# Altium PCB PCB_3U_BNC.PCBDOC (part 1 of 2)
Units mil, origin at the board's own origin, x right, y up, seen from the top; angles counter-clockwise.
Board outline 2496.06 x 3937 mil, 4 copper layers (TopLayer, Internal Plane 2, Internal Plane 1, BottomLayer), stack 35.634 mil thick; 146 components, 103 nets, 600 pads, 388 vias.
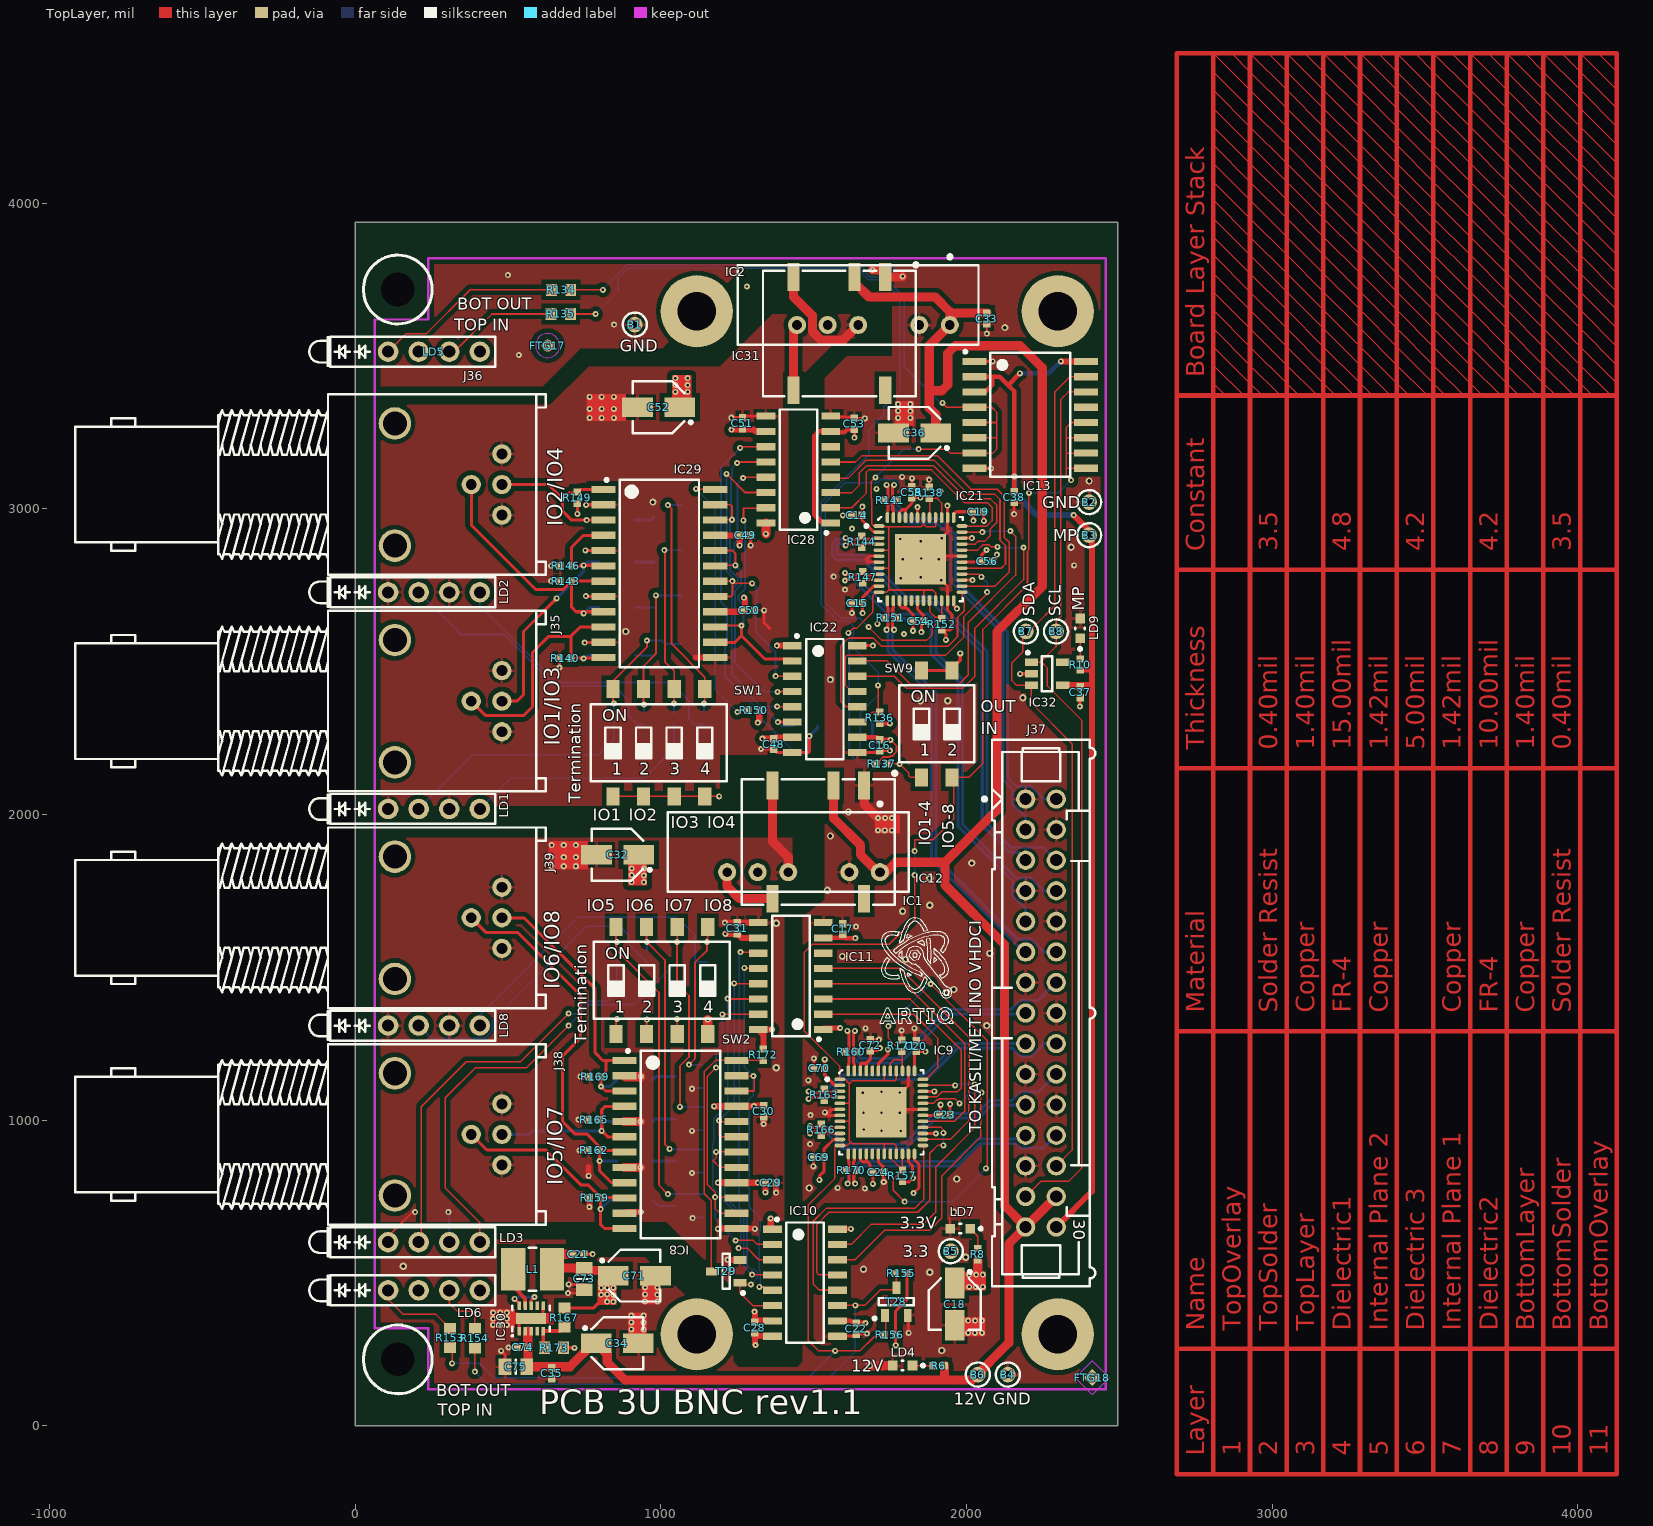
[diagram p0: TopLayer view]
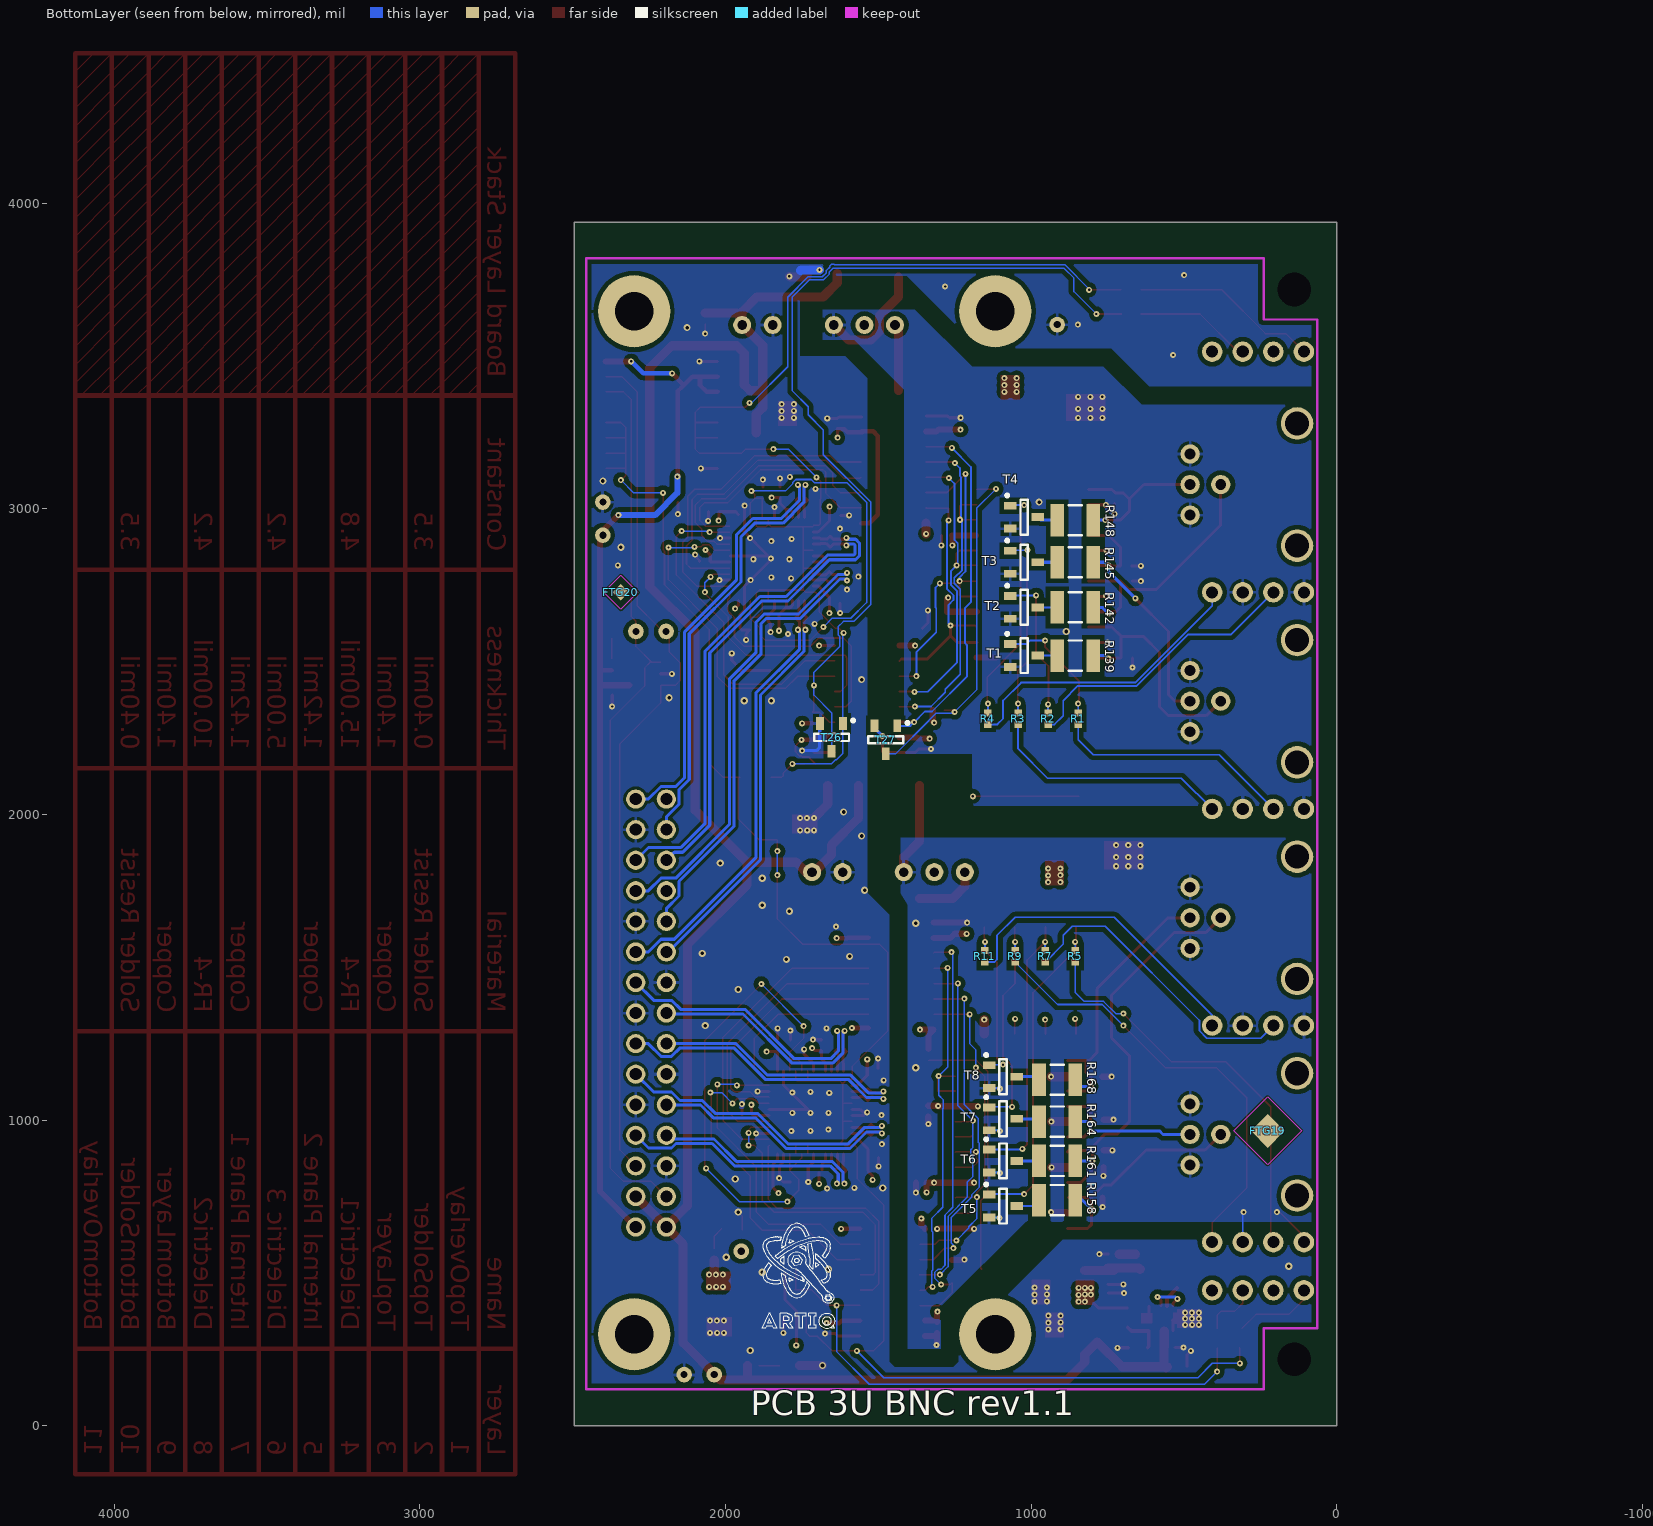
[diagram p1: BottomLayer view, seen from below]
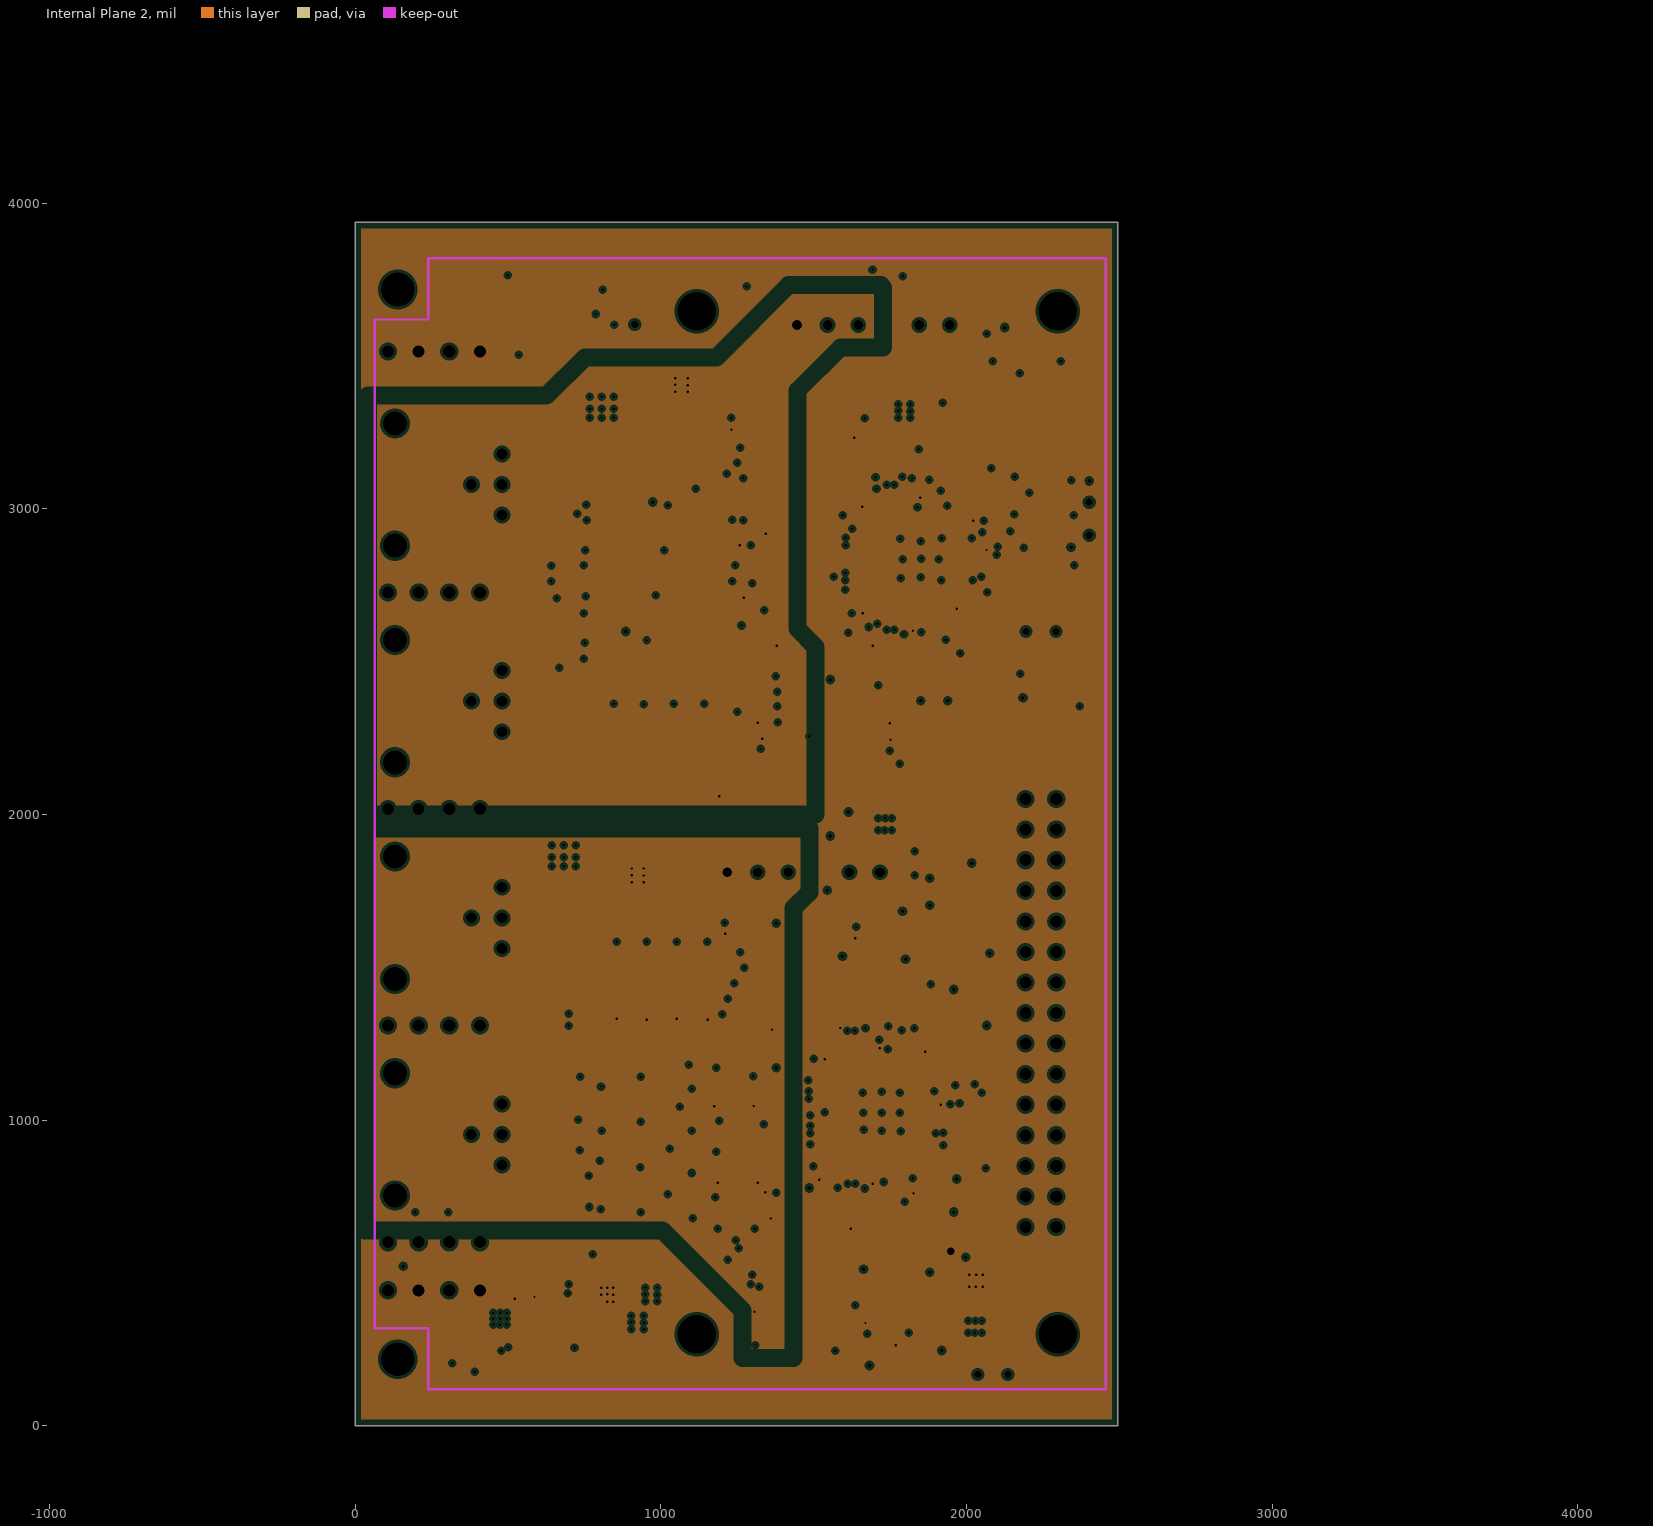
[diagram p2: Internal Plane 2, clearances drawn from the general rule]
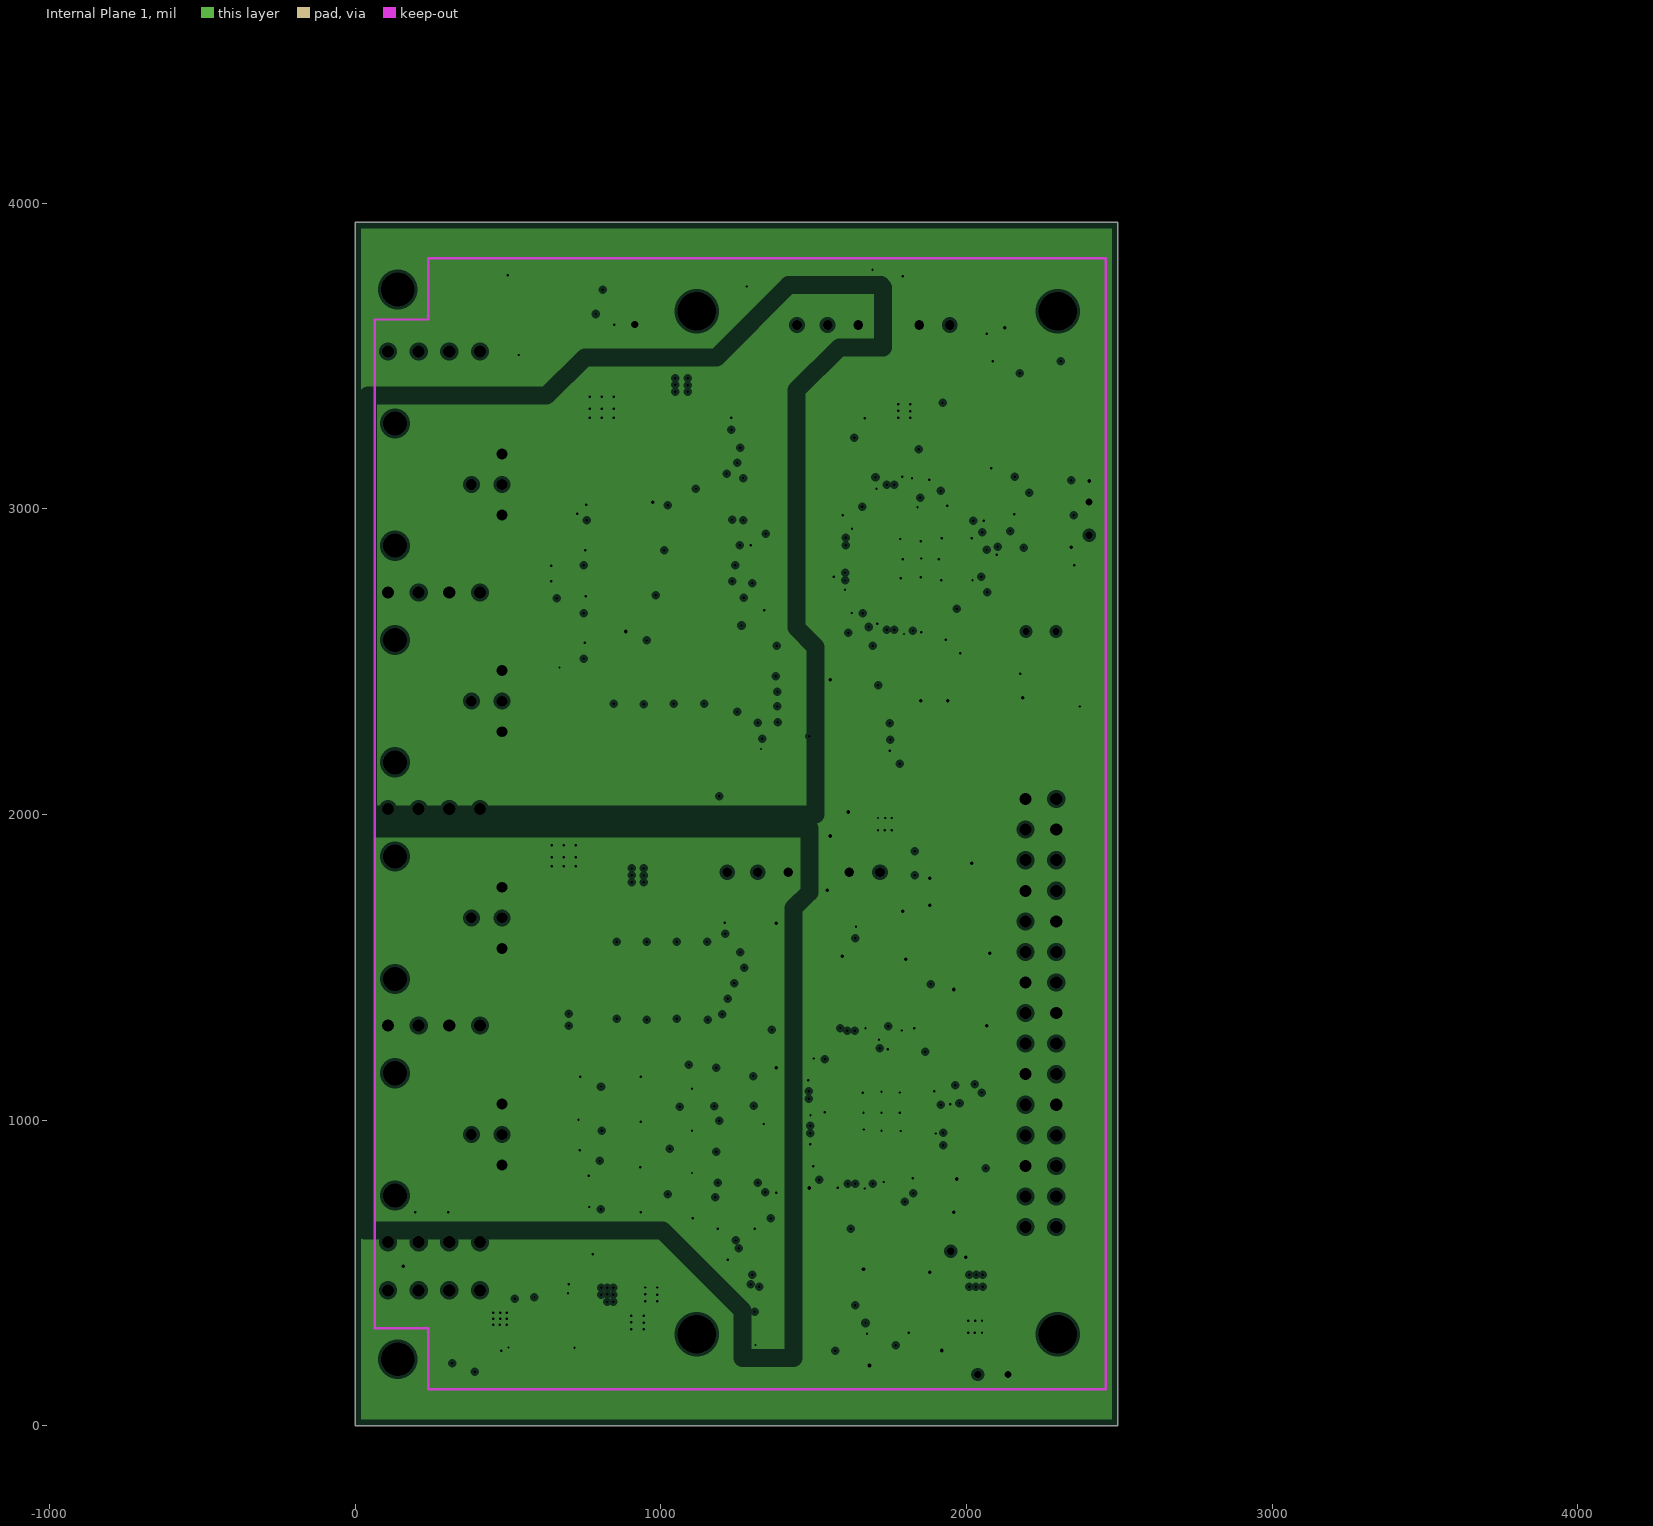
[diagram p3: Internal Plane 1, clearances drawn from the general rule]
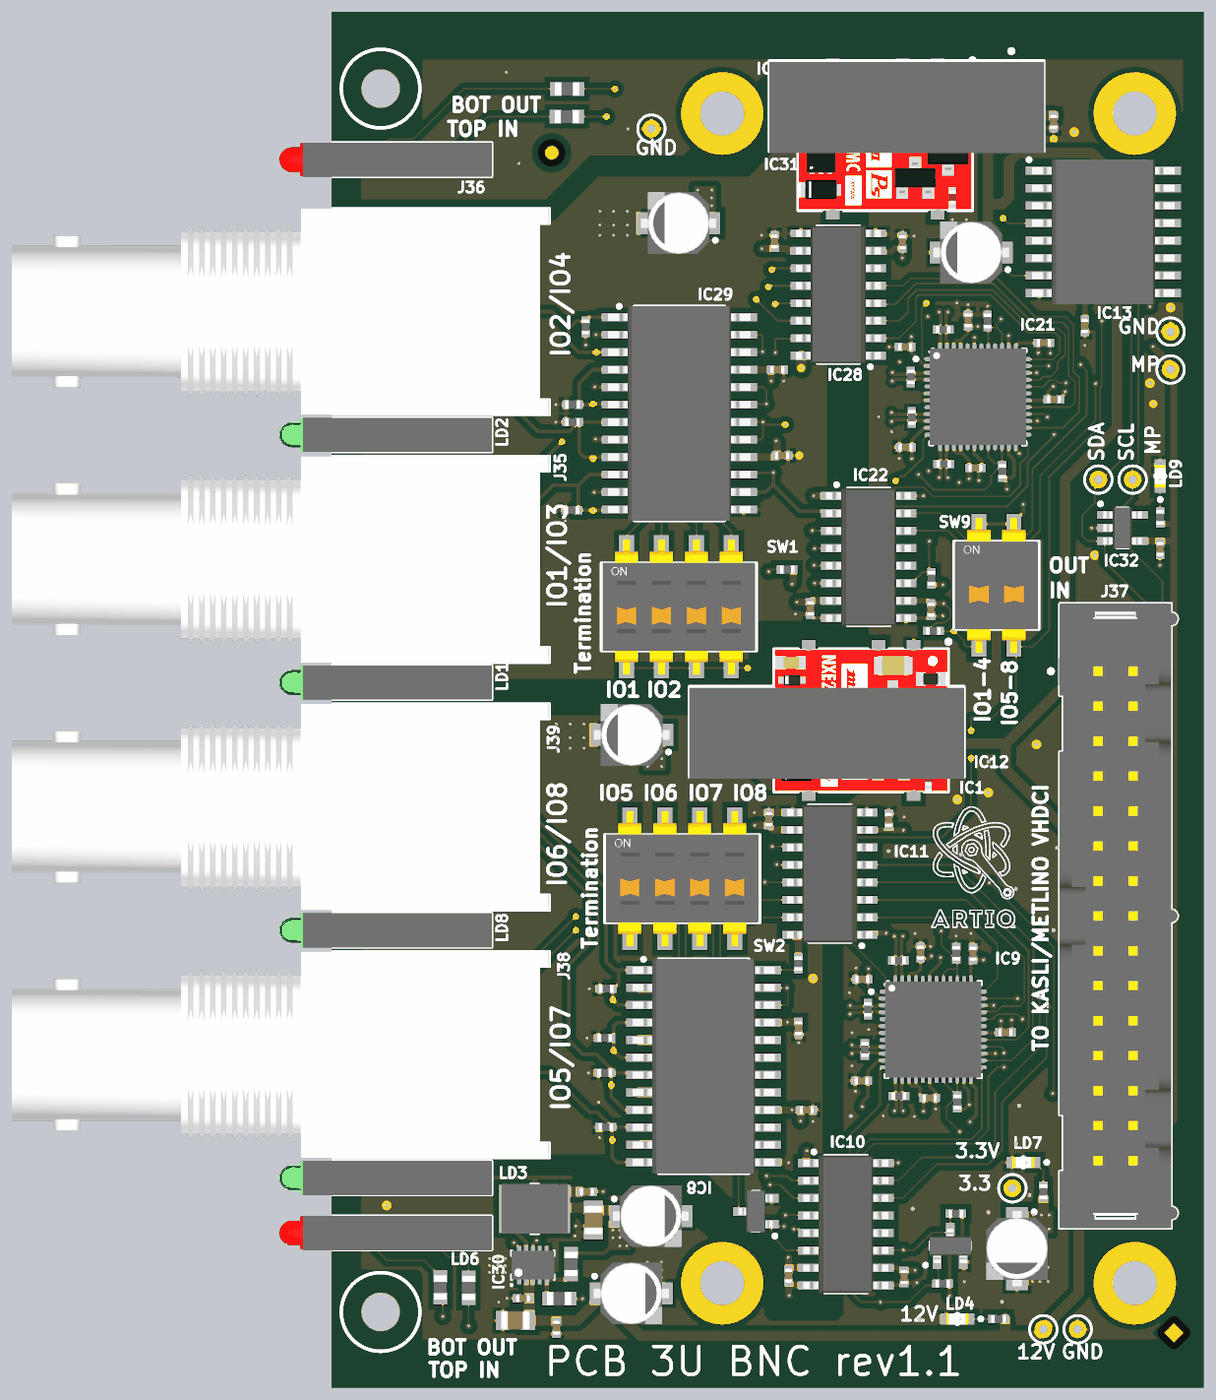
[diagram p5: 3D render of the assembled board from above, using the file's embedded part models]
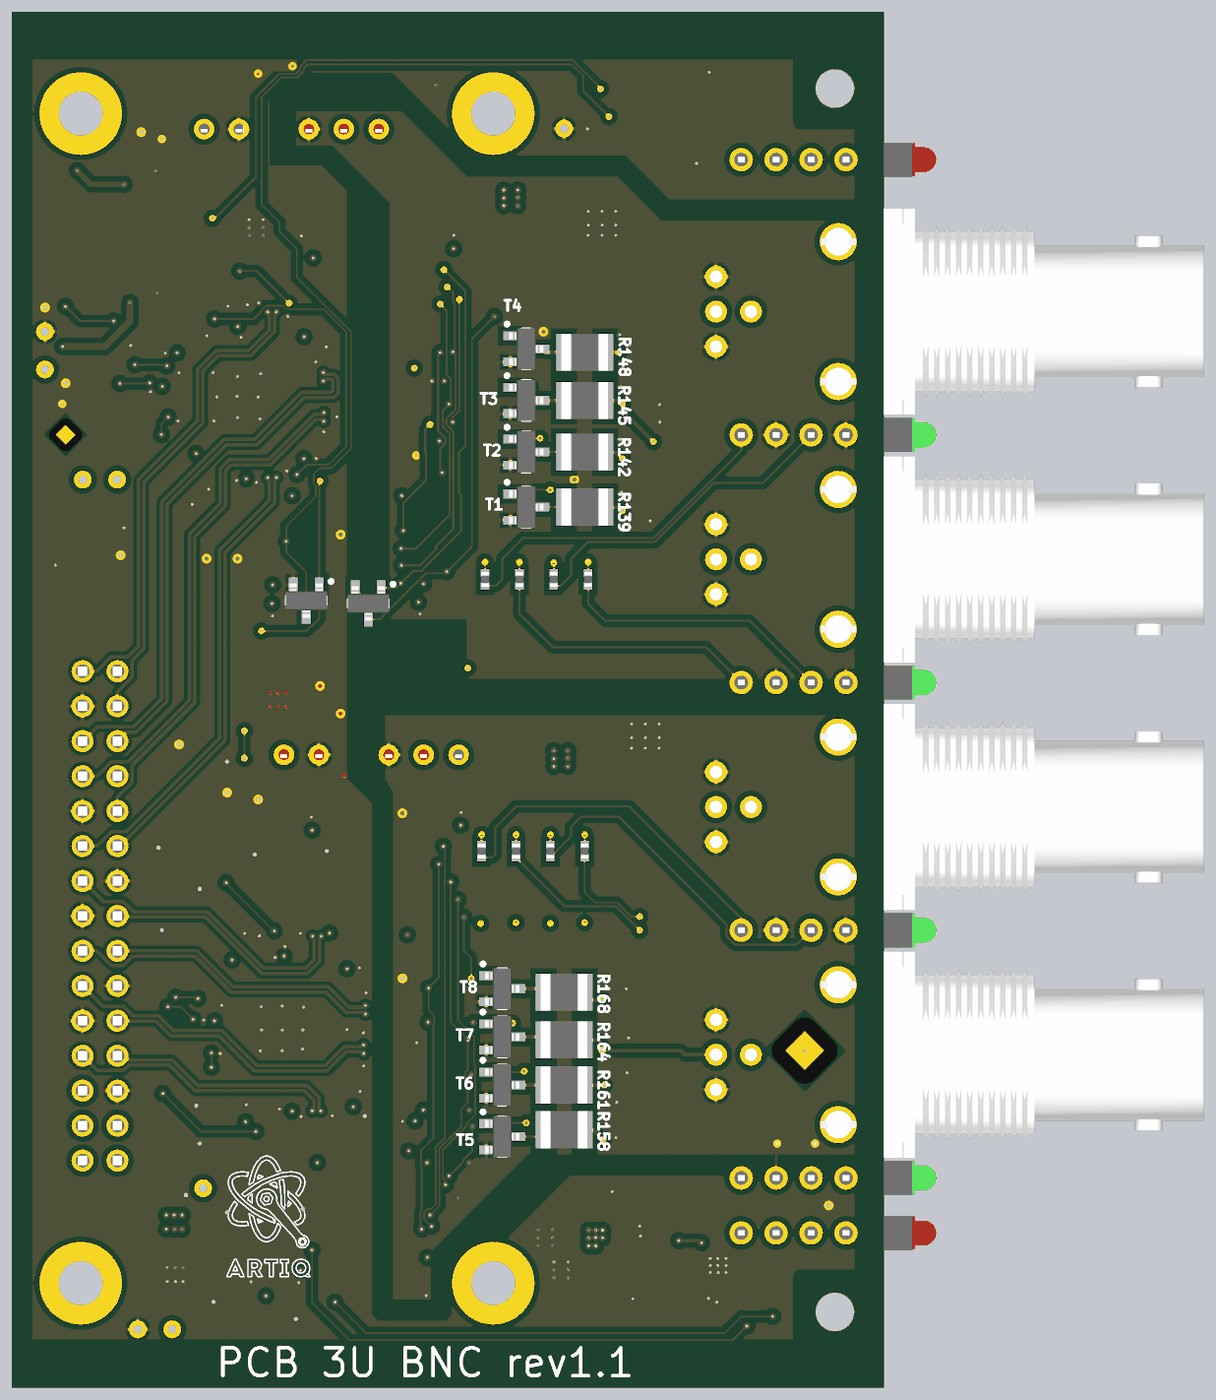
[diagram p6: 3D render of the assembled board from below, using the file's embedded part models]

## Layer stack, top to bottom
TopSolder: solder mask 0.4, Solder Resist, Dk 3.5
TopLayer: signal copper 1.4
Dielectric1: core 15, FR-4, Dk 4.8
Internal Plane 2: plane copper 1.417, net (Multiple Nets)
Dielectric 3: prepreg 5, Dk 4.2
Internal Plane 1: plane copper 1.417, net (Multiple Nets)
Dielectric2: core 10, FR-4, Dk 4.2
BottomLayer: signal copper 1.4
BottomSolder: solder mask 0.4, Solder Resist, Dk 3.5

## Board outline
0,0 2496.06,0 2496.06,3937 0,3937

## Design rules (kind name [scope] priority, off if disabled: settings)
Clearance Clearance_DIFF [(InDifferentialPairClass('All Differential Pairs'))] p1: gap=5 except(10: Arc-Poly Track-Poly SMDPad-Poly THPad-Poly Via-Poly Fill-Poly Poly-Poly Poly-Region Poly-Text)
Clearance [All] p2: gap=5 except(15: Arc-Poly Track-Poly SMDPad-Poly THPad-Poly Via-Poly Fill-Poly Poly-Poly)
DiffPairsRouting [All] p1: maxlimit=10 minlimit=5 mostfreqgap=5 toplayer_minwidth=5 toplayer_maxwidth=15 toplayer_prefwidth=10 bottomlayer_minwidth=5 bottomlayer_maxwidth=15 bottomlayer_prefwidth=10 maxuncoupledlength=500
FabricationTestPointUsage TestPointUsage [All] p1: valid=0 allowmultiple=FALSE
FabricationTestpoint Testpoint [All] p1: side=3 testpointundercomponent=TRUE minsize=40 maxsize=100 preferedsize=60 minholesize=20 maxholesize=40 preferedholesize=32 testpointgrid=1 allowsidetop=TRUE allowsidebottom=TRUE usegrid=TRUE gridtolerance=0.01
HoleSize [All] p1: absolutevalues=TRUE maxlimit=150 minlimit=1 maxpercent=80.000 minpercent=20.000
HoleToHoleClearance [All] p1: gap=1 allowstackedmicrovias=TRUE
MinimumSolderMaskSliver [All] p1: minsoldermaskwidth=0
PlaneClearance [All] p1: clearance=10
PlaneConnect [All] p1: planeconnectstyle=Direct reliefexpansion=20 reliefentries=4 reliefconductorwidth=10 reliefairgap=10
PolygonConnect PolygonConnect_pad [(InPadClass('All Pads'))] p1: connectstyle=Relief reliefconductorwidth=10 reliefentries=4 polygonreliefangle="90 Angle" airgapwidth=10
PolygonConnect [All] p2: connectstyle=Direct reliefconductorwidth=10 reliefentries=4 polygonreliefangle="45 Angle" airgapwidth=10
RoomDefinition PCB_3U_BNC [InComponentClass('PCB_3U_BNC')] p1: confinementstyle=ConfineIn formatcopy=TRUE lockcomponents=FALSE outline -960,-90 2512,-90 2512,4002 -960,4002
RoutingVias [All] p1: holewidth=7.87 width=19.68 viastyle="Through Hole" minholewidth=7.87 minwidth=19.68 maxholewidth=28 maxwidth=50
SilkToSilkClearance [All] p1: silktosilkclearance=0
SilkToSolderMaskClearance SilkscreenOverComponentPads [IsPad] p1: minsilkscreentomaskgap=0 clearancetoexposedcopper=TRUE
SolderMaskExpansion [All] p1: expansion=2
Width [All] p1: maxlimit=50 minlimit=5 preferedwidth=5
20 further rules are at their usual default settings.

## Classes and differential pairs
differential pair LVDS1: +LVDS1_P -LVDS1_N
differential pair LVDS2: +LVDS2_P -LVDS2_N
differential pair LVDS3: +LVDS3_P -LVDS3_N
differential pair LVDS4: +LVDS4_P -LVDS4_N
differential pair LVDS5: +LVDS5_P -LVDS5_N
differential pair LVDS6: +LVDS6_P -LVDS6_N
differential pair LVDS7: +LVDS7_P -LVDS7_N
differential pair LVDS8: +LVDS8_P -LVDS8_N

## Components (designator, comment, footprint, x,y, rotation, side; value= is the part's Value field where it differs from the comment)
B1 "Plated Hole" c130h60 915.35,3602.36 r0 top
B2 "Plated Hole" c130h60 2401.57,3021.65 r0 top
B3 "Plated Hole" c130h60 2401.57,2913.39 r0 top
B4 "Plated Hole" c130h60 2135.83,167.32 r0 top
B5 "Plated Hole" c130h60 1948.82,570.87 r0 top
B6 "Plated Hole" c130h60 2037.4,167.32 r0 top
B7 "Plated Hole" c130h60 2194.88,2598.43 r0 top
B8 "Plated Hole" c130h60 2293.31,2598.43 r0 top
C14 "100nF" CAPC1005X55N 1642,2978 r0 top
C15 "100nF" CAPC1005X55N 1643,2691 r0 top
C16 "100nF" CAPC1005X55N 1716,2226 r90 top
C17 "100nF" CAPC1005X55N 1595,1625 r270 top
C18 "10uF" CAPAE430X540N 1962,398 r270 top
C19 "100nF" CAPC1005X55N 2039,2990 r180 top
C20 "100nF" CAPC1005X55N 1836,1242 r270 top
C21 "100nF" CAPC1005X55N 730.31,561.02 r180 top
C22 "100nF" CAPC1005X55N 1639,317 r90 top
C23 "100nF" CAPC1005X55N 1929,1017 r180 top
C24 "100nF" CAPC1005X55N 1712,829 r180 top
C28 "100nF" CAPC1005X55N 1308,321 r90 top
C29 "100nF" CAPC1005X55N 1360,795 r180 top
C30 "100nF" CAPC1005X55N 1337,1029 r90 top
C31 "100nF" CAPC1005X55N 1251,1627 r270 top
C32 "10uF" CAPAE430X540N 859,1868 r180 top
C33 "100nF" CAPC1005X55N 2066.93,3622.05 r90 top
C34 "10uF" CAPAE430X540N 858,270 r0 top
C35 "100nF" CAPC1005X55N 643,172 r90 top
C36 "10uF" CAPAE430X540N 1830.71,3248.03 r180 top
C37 "100nF" CAPC1005X55N 2372,2400 r90 top
C38 "100nF" CAPC1005X55N 2156,3038 r90 top
C48 "100nF" CAPC1005X55N 1370,2230 r90 top
C49 "100nF" CAPC1005X55N 1276.36,2912.89 r180 top
C50 "100nF" CAPC1005X55N 1289.37,2667.32 r180 top
C51 "100nF" CAPC1005X55N 1267.57,3279.83 r270 top
C52 "10uF" CAPAE430X540N 993,3332 r180 top
C53 "100nF" CAPC1005X55N 1633.86,3277.56 r270 top
C54 "100nF" CAPC1005X55N 1843,2632 r180 top
C55 "100nF" CAPC1005X55N 1822,3054 r270 top
C56 "100nF" CAPC1005X55N 2068,2828 r180 top
C69 "100nF" CAPC1005X55N 1517,878 r0 top
C70 "100nF" CAPC1005X55N 1519,1169 r0 top
C71 "10uF" CAPAE430X540N 914,491 r0 top
C72 "100nF" CAPC1005X55N 1686,1245 r270 top
C73 "22uF" CAPC2012X135N 749.69,480 r90 top
C74 "100nF" CAPC1005X55N 548,256 r0 top
C75 "22uF" CAPC2012X135N 526,193 r0 top
FTG17 "Use only in PCB" FIDUCIAL_TOP_C100-200 629.92,3533.46 r90 top
FTG18 "Use only in PCB" FIDUCIAL_TOP_S100-200 2411.42,157.48 r90 top
FTG19 "Use only in PCB" FIDUCIAL_TOP_S200-400 226.38,964.57 r180 bottom
FTG20 "Use only in PCB" FIDUCIAL_TOP_S100-200 2342.52,2726.38 r90 bottom
IC1 "NXE2S1205MC" DCDC_MURATA_NXE2 1515.75,1909.45 r180 top
IC2 "NXE2S1205MC" DCDC_MURATA_NXE2 1584.65,3572.83 r180 top
IC8 "SN74BCT25245DW" SOIC127P1030X265-24N 1065,920 r0 top
IC9 "SN65MLVD040RGZT" QFN50P700X700X100-49N-S420 1722,1025 r0 top
IC10 "SI8651BB-B-IS1" SOIC127P600X175-16N 1472,468 r0 top
IC11 "SI8651BB-B-IS1" SOIC127P600X175-16N 1426,1471 r180 top
IC12 "DNP" DCDC_TRACO_TMA 1417.32,1811.02 r180 top
IC13 "PCF8574ADW" SOIC127P1030X265-16N 2209,3307 r0 top
IC21 "SN65MLVD040RGZT" QFN50P700X700X100-49N-S420 1850,2835 r0 top
IC22 "SI8651BB-B-IS1" SOIC127P600X175-16N 1537,2377 r0 top
IC28 "SI8651BB-B-IS1" SOIC127P600X175-16N 1450.57,3127.83 r180 top
IC29 "SN74BCT25245DW" SOIC127P1030X265-24N 995.36,2787.89 r0 top
IC30 "TPS62175DQC" SON50P200X300X80-11N-R94X250 576,351 r90 top
IC31 "DNP" DCDC_TRACO_TMA 1646,3601 r180 top
IC32 "24AA02E48T-I/OT" SOT95P280X145-5N 2264,2460 r0 top
J35 "BNC" BOMAR_364A2595 236.22,2370.32 r180 top locked
J36 "BNC" BOMAR_364A2595 236.22,3078.98 r180 top locked
J37 "Familly" 3M_N2530-6002RB 2244,1350 r270 top locked
J38 "BNC" BOMAR_364A2595 236.22,953 r180 top locked
J39 "BNC" BOMAR_364A2595 236.22,1661.66 r180 top locked
L1 "10uH" IND_MURATA-PS_8400 580.71,511.81 r0 top
LD1 "Green/Green" LED_DIALIGHT_571-0122F 108.27,2017.72 r0 top
LD2 "Green/Green" LED_DIALIGHT_571-0122F 108.27,2726.38 r0 top
LD3 "Green/Green" LED_DIALIGHT_571-0122F 108.27,600.39 r0 top
LD4 "Green" LED_KINGBRIGHT_KPH-1608CGCK 1791.34,196.85 r180 top
LD5 "Red/Green" LED_DIALIGHT_571-0112F 108.27,3513.78 r0 top
LD6 "Red/Green" LED_DIALIGHT_571-0112F 108.27,442.91 r0 top
LD7 "Green" LED_KINGBRIGHT_KPH-1608CGCK 1980.08,644.76 r180 top
LD8 "Green/Green" LED_DIALIGHT_571-0122F 108.27,1309.06 r0 top
LD9 "Green" LED_KINGBRIGHT_KPH-1608CGCK 2372.05,2608.27 r90 top
R1 "510" RESC1005X40N 846.46,2312.99 r270 bottom
R2 "510" RESC1005X40N 944.88,2312.99 r270 bottom
R3 "510" RESC1005X40N 1043.31,2312.99 r270 bottom
R4 "510" RESC1005X40N 1141.73,2312.99 r270 bottom
R5 "510" RESC1005X40N 856.3,1535.43 r270 bottom
R6 "10k" RESC1005X40N 1909.45,196.85 r0 top
R7 "510" RESC1005X40N 954.72,1535.43 r270 bottom
R8 "510" RESC1005X40N 2037.4,561.02 r90 top
R9 "510" RESC1005X40N 1053.15,1535.43 r270 bottom
R10 "510" RESC1005X40N 2372.05,2490.16 r90 top
R11 "510" RESC1005X40N 1151.57,1535.43 r270 bottom
R134 "220" RESC1608X55N 674,3716 r0 top
R135 "220" RESC1608X55N 673,3637 r0 top
R136 "10k" RESC1005X40N 1717,2316 r270 top
R137 "10k" RESC1005X40N 1722.44,2165.35 r180 top
R138 "100" RESC1005X40N 1878,3052 r90 top
R139 "49R9" RESC3225X70N 856.3,2519.68 r180 bottom
R140 "10k" RESC1005X40N 687.36,2510.89 r0 top
R141 "100" RESC1005X40N 1751,3028 r180 top
R142 "49R9" RESC3225X70N 856.3,2677.17 r180 bottom
R143 "10k" RESC1005X40N 689.36,2762.89 r0 top
R144 "100" RESC1005X40N 1658,2892 r270 top
R145 "49R9" RESC3225X70N 856.3,2824.8 r180 bottom
R146 "10k" RESC1005X40N 689.86,2812.89 r0 top
R147 "100" RESC1005X40N 1661,2776 r270 top
R148 "49R9" RESC3225X70N 856.3,2962.6 r180 bottom
R149 "10k" RESC1005X40N 727.36,3035.39 r90 top
R150 "10k" RESC1005X40N 1304,2341 r0 top